# Altium PCB Gimbal.PcbDoc (part 2 of 2)
Units mil, origin at the board's own origin, x right, y up, seen from the top; angles counter-clockwise.
Board outline 2000 x 2000 mil, 4 copper layers (Top Layer, Ground, Power, Bottom Layer), stack 62 mil thick; 96 components, 55 nets, 309 pads, 198 vias.
Unrouted connection lines stored in the file: 26.
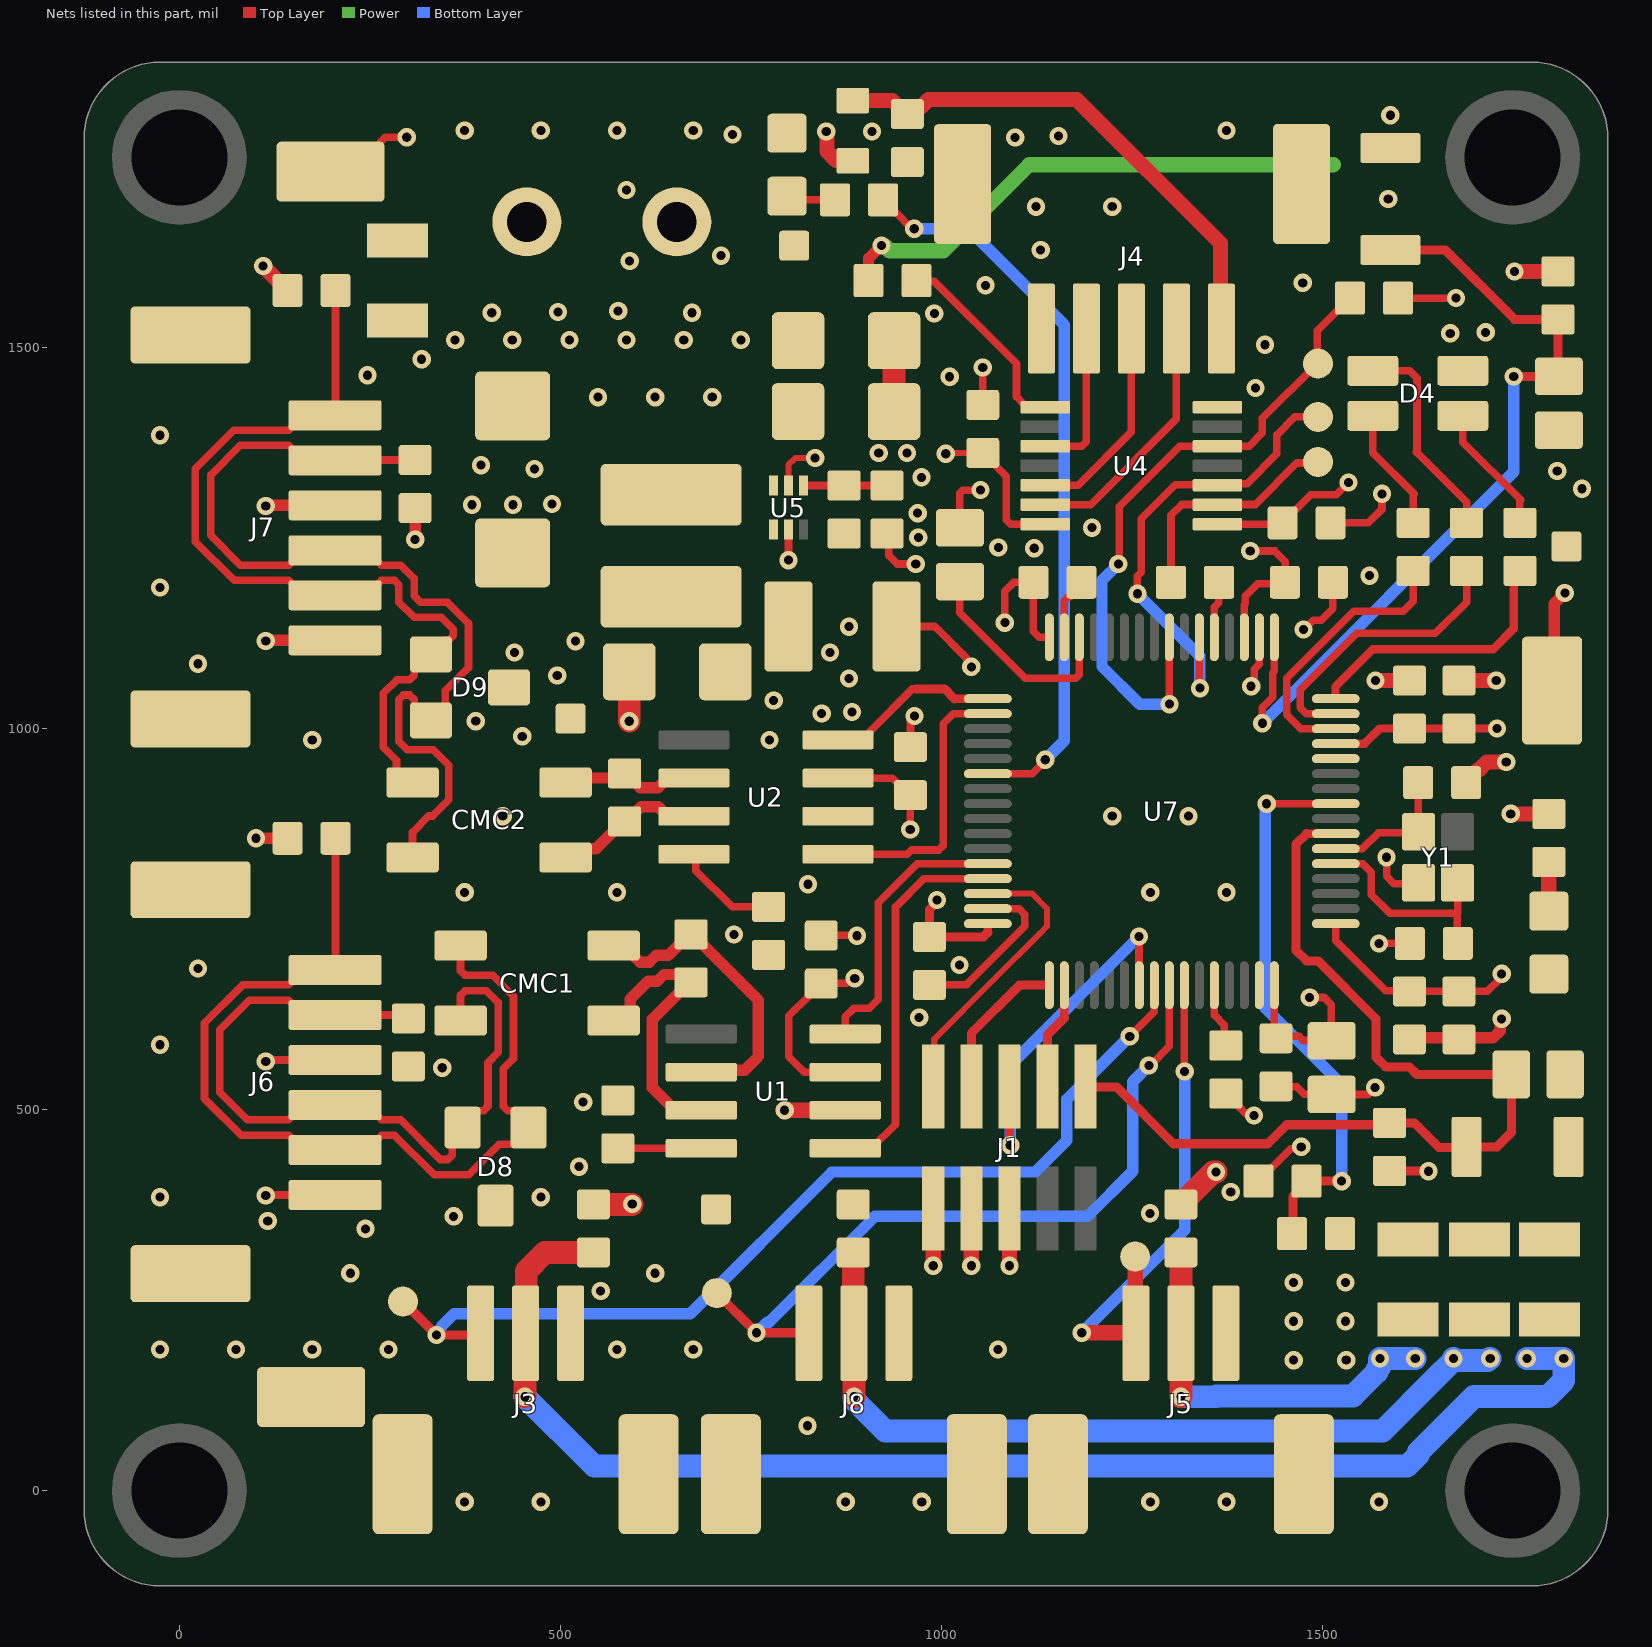
[diagram p4: the nets of this part, all layers, seen from the top]

## Via types
v1: diameter 24, hole 12, Top Layer to Bottom Layer, tented both sides, 198 vias

## Nets (pads, with @x,y where several pads share a name; then routed paths per layer and width w, separated by ;. In a path a pad name is that pad's centre, name@x,y a point inside that pad or via, vN(x,y) a via of type N, cw(c..) or ccw(c..) an arc to the next point about the centre after c; other vN are vias at no path point)
3V3: C7.2 C8.2 C9.2 C10.2 C11.2 C12.2 C13.2 C14.2 C15.2 C17.2 C18.2 C21.2 C24.1 C25.1 D4.4 J1.1 L1.2 R4.2 R5.2 R10.1 R12.2 R14.2 R15.2 TP6.1 U1.3 U2.3 U4.1 U7.1 U7.13 U7.19 U7.32 U7.48 U7.64 | length 2955.9
  Top Layer w10: U2.3@864.36,935.28 935.81,935.28 942.85,928.24 942.85,927.65 958.22,912.28 958.81,912.28 959.4,912.86 v1(959.4,867.86) ; U1.3@873.99,549.28 820,549.28 800,569.28 800,623.28 825.85,649.13 825.85,651.1 840.53,665.78 876.03,665.78 882.62,672.37 v1(886.41,672.37) ; v1(1083.5,1139.28) 1083.5,1180.28 1095.5,1192.28 C11.2@1121,1192.28 1121,1127.77 1128.5,1120.28 1140.52,1120.28 U7.32@1140.64,1120.16 ; U4.1@1360.5,1268.5 1444.26,1268.5 1462.69,1286.93 1464.66,1286.93 1485,1307.28 1518.5,1307.28 v1(1534.5,1323.28) ; U7.19@1397.77,1120.16 1397.77,1162.72 1399.19,1164.14 1399.19,1173.96 1415.5,1190.28 1449,1190.28 C9.2@1448.5,1190.78 ; v1(1405.5,1233.28) 1437.5,1233.28 1451.5,1219.28 1451.5,1192.77 C9.2@1451,1192.28 ; U7.64@1437.14,663.47 1437.14,599.13 1440,596.28 1469.5,596.28 1474.86,590.91 1512.1,590.91 1512.1,637.68 1502.5,647.28 v1(1483.5,647.28) ; U7.1@1517.85,742.95 1517.85,721.93 1583.7,656.07 1613.74,656.07 C13.2@1614.5,655.31 1716.78,655.31 1732.82,671.35 1732.82,675.6 v1(1735.5,678.28) ; R14.2@1599.5,1565.28 v1(1675.5,1565.28) ; v1@1634,419.78 v1@1634.5,419.28
  Top Layer w11: 1061.15,732.63 U7.48@1061.15,744.17 ; U7.13@1517.85,980.39 1555.62,980.39 1575.54,1000.32 C14.2@1614.5,1000.32 C7.2@1679.5,1000.32 v1(1729.5,1000.28) v1(1729.5,1000.28)
  Top Layer w12: v1(994.5,775.28) 994.5,772.42 984.5,762.42 C10.2@984.5,726.77 1055.3,726.77 1061.15,732.63 ; R12.2@1588.5,419.78 v1@1639,419.78
  Top Layer w15: R15.2@904.5,1588.28 904.51,1613.28 904.5,1617.28 v1(921.5,1634.28) ; TP6.1@1801.78,1050.28 1804.5,1052.99 1804.5,1164.28 v1(1818.5,1178.28)
  Top Layer w20: v1(989.5,295.28) J1.1@989.5,370.28 ; v1(1747.5,888.28) R4.2@1797.5,888.27 ; v1(1752.5,1600.28) R10.1@1809.5,1600.28
  Power w20: v1(921.5,1634.28) 925.29,1634.28 932.29,1627.28 1002.5,1627.28 1115.5,1740.28 1514.5,1740.28
  other v1: 1639.5,419.28 780,1037 879,1066 496,1070 854,1100 520,1115 879,1134 1668,1519 1714.5,1520.28
5V: C16.2 C19.2 C26.2 D3.1 F1.2 F2.2 F3.2 F4.2 F7.2 R18.2 TP5.1 U4.14 U5.3 U5.5 | length 432.9
  Top Layer w8: v1(1006,1361) 1007.1,1362.1 C19.2@1054.5,1362.1
  Top Layer w10: TP5.1@198.5,1731.28 229.51,1731.28 263.81,1765.58 263.81,1769.86 270.22,1776.28 v1(298.5,1776.28) ; v1(799.5,1221.28) U5.5@799.5,1261.34 ; C19.2@1054.5,1362.1 1056.47,1362.1 1071.15,1347.41 1071.15,1345.62 1085.5,1331.28 1085.5,1274.36 1091.36,1268.5 U4.14@1138.5,1268.5
  Top Layer w20: v1(849,1784) 850,1783 850,1758 862,1746 883.43,1746 F4.2@884,1745.43
  other v1: 1462.5,171.28 1531.5,171.28 1462.5,222.28 1530.5,222.28 1462.5,273.28 1530.5,273.28 466.21,1340.91 396,1346 549.5,1435.28 624.5,1435.28 699.5,1435.28 247,1464 318,1485 362,1510.28 437,1510.28 512,1510.28 587,1510.28 662,1510.28 737,1510.28 410,1546 672.97,1545.94 497,1547 575.97,1548.36
5V_ADC_INPUT: R18.1 R19.2 U7.9 | length 751.1
  Top Layer w10: v1(1427.12,901.65) U7.9@1517.85,901.65
  Top Layer w12: R18.1@1460.51,337.28 1461.51,338.28 1461.51,386.32 1479.5,404.31 R19.2@1479.5,406.28 v1(1525.5,406.28)
  Bottom Layer w15: v1(1427.12,901.65) 1425.5,900.03 1425.5,633.28 1525.5,533.28 v1(1525.5,406.28)
BUTTON_1: C20.2 R10.2 S2.2 U7.17 | length 1101.6
  Top Layer w10: v1(1421.5,1007.28) 1421.5,1027.28 1435.35,1041.13 1435.35,1073.58 1437.14,1075.37 U7.17@1437.14,1120.16
  Top Layer w12: S2.2@1589.5,1628.35 1661.43,1628.35 1752.49,1537.28 R10.2@1809.5,1537.28 1809.5,1462.51 1809.26,1462.28 v1(1751.5,1462.28)
  Bottom Layer w15: v1(1421.5,1007.28) 1751.5,1337.28 v1(1751.5,1462.28)
CAN1_N: CMC1.1 R1.1 U1.6 | length 408.4
  Top Layer w15: CMC1.1@569.89,715.49 584.66,715.49 595.86,704.29 595.86,702.57 604.65,693.79 617.07,693.79 625.78,702.49 641.75,702.49 669.53,730.28 R1.1@671.5,730.28 673.47,730.28 760,643.74 760,570 741.86,551.86 687.6,551.86 U1.6@685.01,549.28
CAN1_P: CMC1.3 R1.2 U1.7 | length 377.6
  Top Layer w15: CMC1.3@569.89,617.06 580.36,617.06 591.56,628.26 591.56,644.99 615.36,668.79 627.43,668.79 636.13,677.49 661.29,677.49 R1.2@671.5,667.28 669.53,667.28 620.76,618.51 620.76,529.08 650.56,499.28 U1.7@685.01,499.28
CAN2_N: CMC2.1 R2.1 U2.6 | length 181.5
  Top Layer w15: CMC2.1@506.89,929.49 512.79,935.38 592.36,935.38 604.97,922.78 628.65,922.78 628.65,922.99 640.94,935.28 U2.6@675.38,935.28
CAN2_P: CMC2.3 R2.2 U2.7 | length 201.4
  Top Layer w15: CMC2.3@506.89,831.06 518.09,842.26 546.51,842.26 582.53,878.28 R2.2@584.5,878.28 586.47,878.28 605.96,897.78 628.65,897.78 628.65,897.56 640.94,885.28 U2.7@675.38,885.28
CANA_N: C1.2 CMC1.5 D8.1 J6.1 J6.5 | length 1296.4
  Top Layer w10: C1.2@205,856.28 205,683.88 J6.1@204.5,683.39 163.16,683.39 143.63,663.86 83.57,663.86 33,613.28 33,514.72 81.02,466.69 143.63,466.69 163.16,447.17 J6.5@204.5,447.17 245.84,447.17 265.37,466.69 282.34,466.69 334.38,414.65 380,414.65 419.79,454.44 439.79,454.44 458.41,473.06 D8.1@458.41,476.46 458.41,479.85 439.79,498.47 430.96,498.47 425.11,504.33 425.11,553.55 438.56,567 438.56,648.94 411.22,676.28 374.96,676.28 369.11,682.13 CMC1.5@369.11,715.49
CANA_P: C2.2 CMC1.4 D8.2 J6.2 J6.4 | length 1038
  Top Layer w10: C2.2@300.5,619.77 295.94,624.33 J6.2@204.5,624.33 163.16,624.33 143.63,643.86 91.86,643.86 53,605 53,523 89.31,486.69 143.63,486.69 163.16,506.22 J6.4@204.5,506.22 245.84,506.22 265.37,486.69 290.62,486.69 342.66,434.65 352.42,434.65 358.28,440.51 358.28,462.94 D8.2@371.8,476.46 371.8,479.85 390.42,498.47 399.25,498.47 405.11,504.33 405.11,561.83 418.56,575.28 418.56,640.66 402.93,656.28 374.96,656.28 369.11,650.42 CMC1.4@369.11,617.06
CANA_UART.CAN_RX_A: U1.4 U7.44 | length 367.1
  Top Layer w10: U1.4@873.99,599.28 873.99,621.76 885.5,633.28 905.5,633.28 917.5,645.28 917.5,771.82 968.59,822.91 U7.44@1061.15,822.91
CANA_UART.CAN_TX_A: U1.1 U7.45 | length 500.9
  Top Layer w10: U1.1@873.99,449.28 908.44,449.28 940,480.84 940,766.08 977.15,803.23 U7.45@1061.15,803.23
CANB_N: C22.2 CMC2.5 D9.1 J7.1 J7.5 | length 1161
  Top Layer w10: C22.2@205,1575.28 205,1411.94 J7.1@204.5,1411.44 163.16,1411.44 143.63,1391.91 71.63,1391.91 21,1341.28 21,1245.72 71.97,1194.75 143.63,1194.75 163.16,1175.22 J7.5@204.5,1175.22 245.84,1175.22 265.37,1194.75 282.34,1194.75 288.19,1188.89 288.19,1166.11 308.1,1146.21 343.65,1146.21 359.5,1130.35 359.5,1122.06 353.65,1116.21 345.55,1116.21 308.3,1078.96 308.3,1070.13 302.44,1064.28 285.71,1064.28 267.76,1046.32 267.76,975.62 285.06,958.32 285.06,944.17 299.75,929.49 CMC2.5@306.11,929.49
CANB_P: C23.2 CMC2.4 D9.2 J7.2 J7.4 | length 1276.8
  Top Layer w10: CMC2.4@306.11,831.06 306.11,864.42 327.26,885.57 332.4,885.57 353.56,906.73 353.56,952.25 333.46,972.35 299.31,972.35 287.76,983.9 287.76,1038.04 294,1044.28 302.44,1044.28 308.3,1038.42 308.3,1029.59 326.92,1010.97 D9.2@330.32,1010.97 330.5,1010.97 349.13,1029.59 349.13,1049.59 379.5,1079.97 379.5,1138.63 351.93,1166.21 316.38,1166.21 308.19,1174.39 308.19,1197.18 290.62,1214.75 265.37,1214.75 245.84,1234.28 J7.4@204.5,1234.28 163.16,1234.28 143.63,1214.75 80.25,1214.75 41,1254 41,1333 79.91,1371.91 143.63,1371.91 163.16,1352.39 J7.2@204.5,1352.39 204.89,1352.77 C23.2@309.5,1352.77
CANB_UART.CAN_RX_B: U2.4 U7.33 | length 231.9
  Top Layer w10: U2.4@864.36,985.28 898.81,985.28 906.11,992.58 906.11,996.11 962.28,1052.28 967.25,1052.28
  Top Layer w11: 1017.33,1039.45 U7.33@1061.15,1039.45
  Top Layer w12: 967.25,1052.28 1004.5,1052.28 1017.33,1039.45
CANB_UART.CAN_TX_B: U2.1 U7.34 | length 366.6
  Top Layer w10: U2.1@864.36,835.28 955.5,835.28 961.14,840.91 996.64,840.91 1002.5,846.77 1002.5,1006.28 1015.99,1019.76 U7.34@1061.15,1019.76
ENC_CS_3V3: R14.1 TP15.1 U4.5 U7.24 | length 870.9
  Top Layer w10: v1(1232.5,1216.28) 1233.5,1217.28 1233.5,1291.5 1312.87,1370.87 U4.5@1362.49,1370.87 1404.09,1370.87 1421.5,1388.28 1421.5,1407.28 TP15.1@1493.5,1479.28 ; U7.24@1299.34,1120.16 1299.34,1032.43 v1(1299.5,1032.28) ; TP15.1@1494.5,1479.28 TP15.1@1493.5,1479.28 ; R14.1@1536.51,1565.28 1536.51,1563.31 1523.79,1550.59 1521.82,1550.59 1493.5,1522.27 TP15.1@1493.5,1479.28
  Bottom Layer w15: v1(1232.5,1216.28) 1211,1194.78 1211,1081.78 1260.5,1032.28 v1(1299.5,1032.28)
ENC_SPI_5V.ENC_CS_5V: J4.4 U4.10 | length 223
  Top Layer w10: U4.10@1138.5,1370.87 1184.64,1370.87 1190.5,1376.72 1190.5,1545.22 J4.4@1190.44,1545.28
ENC_SPI_5V.ENC_MISO_5V: J4.3 U4.12 | length 295.7
  Top Layer w10: U4.12@1138.5,1319.69 1179.69,1319.69 1249.5,1389.5 J4.3@1249.5,1545.28
ENC_SPI_5V.ENC_SCK_5V: J4.2 U4.13 | length 355.4
  Top Layer w10: U4.13@1138.5,1294.1 1196.1,1294.1 1308.56,1406.56 J4.2@1308.56,1545.28
GND: C1.1 C2.1 C3.1 C4.1 C5.1 C6.1 C7.1 C8.1 C9.1 C10.1 C11.1 C12.1 C13.1 C14.1 C15.1 C16.1 C17.1 C18.1 C19.1 C20.1 C21.1 C22.1 C23.1 C24.2 C25.2 C26.1 C27.1 C28.1 C29.1 C30.1 D1.2 D2.2 D3.2 D8.3 D9.3 J1.3 J1.5 J2.1 J3.0 J3.3 J4.0 J4.5 J5.0 J5.3 J6.0 J6.3 J6.6 J7.0 J7.3 J7.6 J8.0 J8.3 R3.2 R7.1 R16.1 R17.1 R19.1 S1.1 S2.1 TP4.1 TP7.1 TP11.1 TP12.1 TP13.1 U1.2 U2.2 U4.7 U5.2 U7.12 U7.18 U7.31 U7.47 U7.63 Y1.2 | length 2706.2
  Top Layer w8: U5.2@799.5,1319.21 799.5,1346.28 808.5,1355.28 v1(834.5,1355.28)
  Top Layer w10: v1(113.5,387.28) 114.33,388.11 J6.6@204.5,388.11 ; v1(113.5,563.28) 115.5,565.28 J6.3@204.5,565.28 ; v1(113.5,1115.28) v1@114.39,1116.17 ; v1(113.5,1292.28) v1@114.56,1293.33 ; v1@594,375.77 v1(594.5,376.28) ; C21.1@595.5,1073.27 C21.1@596.51,1074.28 ; R17.1@773.5,703.28 R17.1@774.51,702.28 ; C25.2@842.5,728.77 889,728.77 v1(889.5,728.28) ; R7.1@928.76,1256.28 931.32,1253.72 931.32,1227.46 942.5,1216.28 v1(966.5,1216.28) ; C15.1@941.37,1134.28 991.5,1134.28 1032.91,1092.87 1032.91,1091.66 1039.5,1085.06 v1(1039.5,1081.28) ; C24.2@959.5,975.95 959.63,976.08 959.63,1013 963.42,1016.8 v1(964.98,1016.8) ; C10.1@984.5,663.78 1033.09,663.78 1109.86,740.55 1109.86,756.14 1102.14,763.86 U7.47@1061.15,763.86 ; C6.1@1024.5,1263.7 1024.5,1309.28 1028.5,1313.28 v1(1051.5,1313.28) ; C19.1@1054.5,1425.09 v1(1054.5,1474.28) ; J4.5@1130.5,1526.22 J4.5@1131.44,1525.28 ; U7.31@1161.55,1120.16 1161.55,1167.76 1167.41,1173.62 1169.31,1173.62 1184,1188.31 C11.1@1184,1190.28 ; R3.2@1373.5,521.28 1375.47,521.28 1390.15,506.6 1390.15,504.63 1399.83,494.96 1407.82,494.96 v1(1410.5,492.28) ; v1(1406.74,1055.7) 1411.03,1059.99 1411.03,1078.26 1417.45,1084.69 U7.18@1417.45,1120.16 ; R19.1@1416.51,406.28 1416.51,408.24 1431.19,422.93 1433.16,422.93 1458.83,448.6 1469.82,448.6 v1(1472.5,451.28) ; C17.1@1439.5,530.78 1440,530.28 1466.5,530.28 1476.5,520.28 1512.26,520.28 C12.1@1512.5,520.04 1560.26,520.04 v1(1569.5,529.28) ; v1(1475.5,1130.28) 1476.36,1130.28 1488.36,1142.28 1498.5,1142.28 1514,1157.77 C9.1@1514,1192.28 ; C18.1@1511,1270.28 1560.5,1270.28 1578.5,1288.28 v1(1578.5,1308.28) ; v1(1574.5,718.28) C4.1@1615,718.28 ; v1(1584.5,831.28) 1584.5,806.28 1593.96,796.81 1625.56,796.81 Y1.2@1626.56,797.81 ; C20.1@1808.5,1391.04 C20.1@1809.5,1392.04
  Top Layer w15: v1(100.5,856.28) C1.1@142,856.28 ; v1@114.39,1116.17 J7.6@204.5,1116.17 ; v1@114.56,1293.33 J7.3@204.5,1293.33 ; v1(309.5,1248.28) C23.1@309.5,1289.78 ; C13.1@1614.5,592.32 1616.36,594.17 1677.64,594.17 C8.1@1679.5,592.32 1681.36,594.17 1724.17,594.17 1733.78,603.78 1733.78,617.55 v1(1735.5,619.28)
  Top Layer w20: v1(110,1607.28) C22.1@142,1575.28 ; J3.3@513.5,206.56 J3.3@513.56,206.61 ; v1(794.5,499.28) U1.2@873.99,499.28 ; v1(1039.5,295.28) J1.3@1039.5,370.28 ; v1(1089.5,295.28) J1.5@1089.5,370.28 ; v1(1570,1063.31) C14.1@1614.5,1063.31 ; C7.1@1679.5,1063.31 v1(1728.5,1063.28) ; C3.1@1689,929.28 1689,931.24 1703.68,945.93 1705.65,945.93 1716,956.28 v1(1741.5,956.28)
  Top Layer w30: C29.1@543.5,375.77 v1@594,375.77 ; v1(590.5,1009.78) C21.1@590.51,1074.78 ; C16.1@938.02,1416.28 C26.1@938.02,1509.28 ; C27.1@1314.5,375.77 1316.47,375.77 1321.15,380.46 1321.15,382.43 1357,418.28 v1(1360.5,418.28)
  other v1: 374.5,-14.72 474.5,-14.72 874.5,-14.72 974.5,-14.72 1274.5,-14.72 1374.5,-14.72 1574.5,-14.72 824.5,85.28 -25.5,185.28 74.5,185.28 174.5,185.28 274.5,185.28 574.5,185.28 674.5,185.28 1074.5,185.28 553,262 224.5,285.28 624.5,285.28 244.41,343.58 116,354 360,360 1274,364 -25.5,385.28 474.5,385.28 1380,392 524.5,425.28 530,510 345,555 -25.5,585.28 971,621 24.5,685.28 1024,690 728,730 374.5,785.28 574.5,785.28 1274.5,785.28 1374.5,785.28 825,796 424.5,885.28 1224.5,885.28 1324.5,885.28 174.5,985.28 774.5,985.28 450,990 389,1010 843,1020 883,1022 24.5,1085.28 440,1100 -25.5,1185.28 1562,1201 1122,1237 1075,1238 970,1251 1198,1264 969,1283 384,1294 438,1294 489,1295 1841,1315 974,1330 1808.5,1338.28 918,1362 955,1362 -25.5,1385.28 1412.5,1447.28 1011,1462 1425,1504 991,1545 1058,1582 1474.5,1585.28 591,1614 711,1621 1130.5,1628.28 1124.5,1685.28 1224.5,1685.28 1586.74,1695.24 587,1707 1097,1776 1154,1778 726,1780 909,1784 374.5,1785.28 474.5,1785.28 574.5,1785.28 674.5,1785.28 1374.5,1785.28 1589.5,1805.28
JTDI: J1.8 U7.50 | length 142.3
  Top Layer w11: 1161.55,620.32 U7.50@1161.55,663.47
  Top Layer w12: J1.8@1139.5,530.28 1139.5,598.28 1161.55,620.32
JTDO/TRACESWO: J1.6 U7.55 | length 485.4
  Top Layer w10: v1@1089.5,454.28 v1(1090.5,453.28) ; v1(1259.5,727.28) 1259.5,690.81 1259.63,690.68 1259.63,663.81 U7.55@1259.97,663.47
  Top Layer w12: v1@1089.5,454.28 J1.6@1089.5,530.28
  Bottom Layer w15: v1(1090.5,453.28) 1090.5,558.28 v1(1259.5,727.28)
LED_1: R6.1 U7.38 | length 972.1
  Top Layer w10: R6.1@923.5,1694.28 923.5,1692.31 938.19,1677.62 940.15,1677.62 961.5,1656.28 v1(964.5,1656.28) ; U7.38@1061.15,941.02 1119.5,941.02 1136.5,958.02 v1(1136.5,959.28)
  Bottom Layer w15: v1(964.5,1656.28) 1035.5,1656.28 1161.5,1530.28 1161.5,984.28 v1(1136.5,959.28)
LED_B_n: R8.2 U7.15 | length 380
  Top Layer w10: U7.15@1517.85,1019.76 1479.36,1019.76 1471.35,1027.77 1471.35,1051.13 1545.5,1125.28 1648.5,1125.28 1689.5,1166.28 R8.2@1689.5,1207.28
LED_G_n: R11.2 U7.14 | length 367.9
  Top Layer w10: U7.14@1517.85,1000.08 1471.7,1000.08 1453.35,1018.43 1453.35,1066.13 1541.5,1154.28 1606.5,1154.28 1619.5,1167.28 R11.2@1619.5,1207.28
LED_R_n: R9.1 U7.16 | length 360.9
  Top Layer w11: U7.16@1517.85,1039.45 1517.43,1039.82 1517.43,1055.41 1566.31,1104.29 1724.29,1104.29 1751.31,1131.31 1751.31,1199.09 R9.1@1759.5,1207.28
NetC3_2: C3.2 U7.6 Y1.1 | length 181.7
  Top Layer w10: U7.6@1517.85,842.6 1552.82,842.6 1573.96,863.74 1624.69,863.74 1626,865.06 C3.2@1626,929.28
NetC4_2: C4.2 U7.5 Y1.3 | length 283.7
  Top Layer w10: U7.5@1517.85,822.91 1553.32,822.91 1564.34,811.89 1564.34,782.43 1588.98,757.79 1677.5,757.79 ; Y1.3@1677.74,797.81 1677.74,758.03 1677.5,757.79 ; C4.2@1678,718.28 1677.5,718.77 1677.5,757.79
NetC6_2: C6.2 U7.30 | length 284.4
  Top Layer w10: C6.2@1024.5,1193.23 1024.5,1152.28 1110.5,1066.28 1176.5,1066.28 1181.23,1071.01 U7.30@1181.23,1120.16
NetC27_2: C27.2 F3.1 J5.2 | length 523.8
  Top Layer w30: v1(1314.5,123.28) J5.2@1314.5,206.61 C27.2@1314.5,312.78
  Bottom Layer w30: v1(1314.5,123.28) 1360.5,123.28 1361.5,124.28 1540.28,124.28 1571.91,155.91 1571.91,158.68 1575.19,161.96 1575.19,172.57 v1(1575.95,173.33) ; v1@1577.8,173.33 v1(1622.1,173.33)
NetC28_2: C28.2 F7.1 J8.2 | length 1089.5
  Top Layer w30: C28.2@884.5,312.78 884.5,207.32 J8.2@885.21,206.61 885.5,206.32 v1(885.5,123.28)
  Bottom Layer w30: v1(885.5,123.28) 885.5,119.28 926.5,78.28 1579.37,78.28 1649.12,148.03 1670.37,169.28 1670.37,170.25 1672.37,172.25 v1(1672.37,173.33) ; v1@1671.61,171.49 1672.69,172.57 1674.22,172.57 1675.86,170.92 1717.09,170.92 1719.5,173.33 v1(1720.58,173.33)
NetC29_2: C29.2 F2.1 J3.2 | length 1792
  Top Layer w30: v1(453.5,123.28) 453.5,205.61 J3.2@454.5,206.61 455.31,207.42 455.31,288.08 480,312.78 C29.2@543.5,312.78
  Bottom Layer w20: v1(1768.79,173.33) v1@1769.56,172.57
  Bottom Layer w30: v1(453.5,123.28) 544.5,32.28 1611.5,32.28 1626.57,47.35 1626.57,51.12 1698.88,123.43 1796,123.43 1817,144.43 v1(1817,173.33) v1(1768.79,173.33)
NetC30_2: C30.2 F4.1 J4.1 | length 668.5
  Top Layer w20: F4.1@884,1824.57 935.74,1824.57 953.53,1806.77 C30.2@955.5,1806.77 965.19,1816.46 973.82,1816.46 983.36,1826 1177.78,1826 1366.5,1637.28 1366.5,1546.39 J4.1@1367.61,1545.28
NetD1_1: D1.1 R4.1 | length 64.7
  Top Layer w20: D1.1@1797.5,760.61 R4.1@1797.5,825.28
NetD2_1: D2.1 R6.2 | length 65.8
  Top Layer w10: D2.1@797.5,1698.94 802.16,1694.28 R6.2@860.51,1694.28 860.01,1693.78 R6.2@860.16,1693.63
NetD4_1: D4.1 R9.2 | length 171.9
  Top Layer w10: D4.1@1684.56,1410.75 1684.56,1376.22 1760.5,1300.28 ; R9.2@1759.5,1270.28 1759.5,1300.28
NetD4_2: D4.2 R11.1 | length 162.9
  Top Layer w10: D4.2@1566.44,1410.75 1566.44,1362.33 1620.5,1308.28 ; R11.1@1619.5,1270.28 1619.5,1308.28
NetD4_3: D4.3 R8.1 | length 279.3
  Top Layer w10: D4.3@1566.44,1469.8 1614.97,1469.8 1624.5,1460.28 1624.5,1363.28 ; 1623.5,1363.28 1689.5,1297.28 R8.1@1689.5,1270.28
NetF1_1: F1.1 J2.2
NetL1_1: L1.1 U5.4
NetR3_1: R3.1 U7.60 | length 85.4
  Top Layer w10: U7.60@1358.4,663.47 1358.4,624.38 1371.64,611.13 1371.64,586.13 R3.1@1373.5,584.28
NetR5_1: R5.1 R7.2 U5.1 | length 109.6
  Top Layer w10: U5.1@819.18,1319.21 872.44,1319.21 R5.1@872.5,1319.28 R7.2@928.76,1319.28
NetR13_2: R13.2 U7.21 | length 74.6
  Top Layer w10: U7.21@1358.4,1120.16 1358.4,1159.42 1364.26,1165.28 1364.26,1192.03 R13.2@1364.5,1192.28
NetR15_1: R15.1 U4.8 | length 263.3
  Top Layer w10: R15.1@967.49,1588.28 968.49,1587.28 990.5,1587.28 1098.84,1478.93 1098.84,1435.6 1109.03,1425.41 1133.14,1425.41 U4.8@1136.51,1422.05
NetR16_2: R16.2 U1.8 | length 109.5
  Top Layer w10: R16.2@575.5,449.28 U1.8@685.01,449.28
NetR17_2: R17.2 U2.8 | length 137.8
  Top Layer w10: U2.8@675.38,835.28 677.95,832.72 677.95,813.83 725.5,766.28 R17.2@773.5,766.28
NRST: C5.2 J1.10 R12.1 S1.2 U7.7 | length 1275.9
  Top Layer w11: 1479.51,862.28 U7.7@1517.85,862.28
  Top Layer w12: J1.10@1189.5,530.28 1189.78,530 1230,530 1304.72,455.28 1428.5,455.28 1453.5,480.28 1581.01,480.28 1583.5,482.77 1621.01,482.77 1653.5,450.28 1688.57,450.28 S1.2@1689.57,451.28 1729.5,451.28 1748.26,470.04 C5.2@1748.26,546.28 1624.5,546.28 1614.5,556.28 1583.36,556.28 1570.5,569.13 1570.5,619.28 1494.5,695.28 1479.5,695.28 1465.5,709.28 1465.5,848.28 1479.51,862.28
PITCH_SERVO_PWM: J3.1 TP8.1 U7.56 | length 1308.5
  Top Layer w10: v1(1247.5,596.28) 1279.66,628.43 U7.56@1279.66,663.47
  Top Layer w12: TP8.1@293.5,248.28 v1(337.5,204.28) 393.11,204.28 J3.1@395.44,206.61
  Bottom Layer w15: v1(337.5,204.28) 337.5,208.06 344.09,214.66 344.09,215.87 360.5,232.28 670.5,232.28 856.5,418.28 1123.28,418.28 1165,460 1165,513.78 v1(1247.5,596.28)
ROLL_SERVO_PWM: J8.1 TP10.1 U7.57 | length 989.2
  Top Layer w10: v1(1272.5,558) 1274.22,558 1299.34,583.12 U7.57@1299.34,663.47
  Top Layer w12: TP10.1@705.5,259.28 v1(757.5,207.28) 825.49,207.28 J8.1@826.15,206.61
  Bottom Layer w15: v1(757.5,207.28) 771.49,221.27 774.27,221.27 912.99,359.99 1191.99,359.99 1251.27,419.27 1251.27,536.77 v1(1272.5,558)
SPI_3V3.MISO_3V3: TP2.1 U4.3 U7.22 | length 627.9
  Top Layer w10: v1(1257.5,1177.28) 1257.5,1200.28 1262.5,1205.28 1262.5,1275.5 1307.28,1320.28 1359.91,1320.28 1360.5,1319.69 1362.5,1321.69 1401.45,1321.69 1440.5,1360.73 1440.5,1385.5 1464.28,1409.28 TP2.1@1494.5,1409.28 ; U7.22@1338.71,1120.16 1338.71,1054.06 v1(1339.5,1053.28)
  Bottom Layer w15: v1(1257.5,1177.28) 1339.5,1095.28 v1(1339.5,1053.28)
SPI_3V3.SCK_3V3: R13.1 TP1.1 U4.2 | length 312.1
  Top Layer w10: R13.1@1301.51,1190.28 1301.51,1280.28 1315.5,1294.28 1360.32,1294.28 1360.5,1294.1 1360.68,1294.28 1412.28,1294.28 1466.86,1348.86 1493.09,1348.86 TP1.1@1494.5,1350.28
SWD_CLK: J1.4 U7.49 | length 197.3
  Top Layer w12: J1.4@1039.5,530.28 1039.5,600.28 1102.69,663.47 U7.49@1140.64,663.47
SWD_IO: J1.2 U7.46 | length 381.3
  Top Layer w8: J1.2@989.5,530.28 990.81,531.59 990.81,592.59 1068.5,670.28 ; U7.46@1061.15,783.54 1119.23,783.54 1138.81,763.96 1138.81,740.59 1129.27,731.05 1068.54,670.28
YAW_SERVO_PWM: J5.1 TP9.1 U7.58 | length 682.7
  Top Layer w10: U7.58@1319.03,663.47 1319.03,550.75 v1(1319.5,550.28)
  Top Layer w12: J5.1@1254.5,207.56 J5.1@1254.78,207.28
  Top Layer w20: v1(1184.5,207.28) J5.1@1254.78,207.28 ; J5.1@1254.5,207.56 TP9.1@1254.5,307.28
  Bottom Layer w15: v1(1184.5,207.28) 1319.5,342.28 v1(1319.5,550.28)
pads on no net: J1.7 J1.9 MH1.0 MH2.0 MH3.0 MH4.0 U1.5 U2.5 U4.4 U4.6 U4.9 U4.11 U5.6 U7.2 U7.3 U7.4 U7.8 U7.10 U7.11 U7.20 U7.23 U7.25 U7.26 U7.27 U7.28 U7.29 U7.35 U7.36 U7.37 U7.39 U7.40 U7.41 U7.42 U7.43 U7.51 U7.52 U7.53 U7.54 U7.59 U7.61 U7.62 Y1.4

## Polygon pours and split planes (outlines as drawn)
GND on Top Layer "Top GND" (solid, remove dead copper, pour order 154): -25,-125 cw(c-25,-25) -125,-25 -125,1775 cw(c-25,1775) -25,1875 1775,1875 cw(c1775,1775) 1875,1775 1875,-25 cw(c1775,-25) 1775,-125
5V on Top Layer "Buck 5V" (solid, remove dead copper, pour order 153): 350.5,1322.28 529.5,1322.28 529.5,1392.28 748.5,1392.28 748.5,1291.28 810.5,1291.28 810.5,1343.28 842.5,1343.28 884.5,1385.28 884.5,1584.28 227.5,1584.28 227.5,1443.28 350.5,1443.28
5V on Top Layer "Servos" (solid, remove dead copper, pour order 152): 1432,149 1875.37,149 1875.61,373.28 1509.48,373.28 1432,373.28
3V3 on Top Layer "Buck 3V3" (solid, pour order 151): 659.5,1015.28 806.5,1015.28 806.5,1045.28 807.34,1044.44 900.74,1044.44 900.5,1218.28 900.5,1288.28 831.5,1288.28 831.5,1237.28 503.5,1237.28 503.5,1158.28 470.5,1158.28 470.5,1045.28 659.5,1045.28 659.5,1120.28
NetF1_1 on Top Layer "Power In" (solid, remove dead copper, pour order 150): 227.5,1745.28 227.5,1594.28 553.5,1594.28 553.5,1745.28
NetC29_2 on Top Layer "Pitch Power" (solid, remove dead copper, pour order 146): 1839,150 1825,136 1747,136 1747,186 1753,192 1753,248 1839,248
NetC28_2 on Top Layer "Roll Power" (solid, remove dead copper, pour order 147): 1653,135 1747,135 1747,247 1660,247 1660,193.67 1653,187.44
NetC27_2 on Top Layer "Yaw Power" (solid, remove dead copper, pour order 145): 1557.07,172.47 1556.96,135 1652,135 1652,247 1572,247 1572,203 1557,203 1556.62,202.62 1556.62,172.25
3V3 on Top Layer "LED Thermal" (solid, remove dead copper, pour order 148): 1632,1537 1632,1440 1755,1440 1755,1537
NetL1_1 on Top Layer "Inductor" (solid, remove dead copper, pour order 149): 789.5,1237.28 529.5,1237.28 529.5,1392.28 748.5,1392.28 748.5,1291.28 789.5,1291.28
5V on Power "5V Plane" (solid, remove dead copper, pour order 156): 1875.5,-125.72 1879.5,-121.72 1879.5,376 1311.5,376 1311.5,259 404.5,259 404.5,1291.28 404.5,1178 853.42,1178 853.42,1291.28 1147,1291.28 1147,1875.83 -125.5,1875.83 -125.5,-125.72
3V3 on Power "Power-3V3" (solid, remove dead copper, pour order 157): 1311.5,403.28 1879.5,403.28 1875.5,407.28 1875.5,1875.28 1450.06,1875.28 1147,2178.33 1147,1291.28 853.42,1291.28 853.42,1179 404.5,1179 404.5,276 1311.5,276
GND on Ground "GND Plane" (solid, remove dead copper, pour order 155): -25,-125 cw(c-25,-25) -125,-25 -125,1775 cw(c-25,1775) -25,1875 1775,1875 cw(c1775,1775) 1875,1775 1875,-25 cw(c1775,-25) 1775,-125
GND on Bottom Layer "Bottom GND" (solid, pour order 158): -25,-125 cw(c-25,-25) -125,-25 -125,1775 cw(c-25,1775) -25,1875 1775,1875 cw(c1775,1775) 1875,1775 1875,-25 cw(c1775,-25) 1775,-125

## Keep-outs
Keep-Out Layer:
  lines w10: -25.5,-125 1775,-125 ccw(c1775,-25) 1875,-25 1875,1775 ccw(c1775,1775) 1775,1875 -25,1875 ccw(c-25,1775) -125,1775 -125,1366 -125,-25 ccw(c-25,-25) -25,-125

## Silkscreen, mask and mechanical layers (free items; w line width, h text height)
Top Overlay:
  text "ENC" at 1500,1820.53 h50
  text "5V" at 300,1804.24 h50
  text "5V" at 172.28,1783.53 h50
  text "GND" at 773,1583.37 h35
  text "CAN B" at -100,1570.53 h50
  text "CS" at 1467.63,1460 h35 r90
  text "MISO" at 1467.63,1373 h35 r90
  text "SCK" at 1467.63,1301 h35 r90
  text "GND" at 1793,1265.32 h30
  text "3V3" at 1769,1129.52 h45
  text "GND" at 479,965.37 h35
  text "CAN A" at -100,840.53 h50
  text "GND" at 731,349.43 h40
  text "ROLL" at 681,300.43 h40
  text "PITCH" at 263,290.43 h40
  text "YAW" at 1150.02,270 h40
  text "GND" at 127,31.53 h50
Bottom Overlay:
  drawing of 23 lines, arcs and shapes, not listed
  text "GIMBAL - REV 2 / NOV 2020 / AIDAN GRATTON" at 1351.47,1082.28 h120
Mechanical 1:
  drawing of 4497 lines, arcs and shapes, not listed
Mechanical 3:
  circle w0.5: c0,0 r64.25
  circle w0.5: c0,1750 r64.25
  circle w0.5: c1750,1750 r64.25
  circle w0.5: c1750,0 r64.25
  lines w0.5: -125,-25 ccw(c-25,-25) -25,-125 1775,-125 ccw(c1775,-25) 1875,-25 1875,1775 ccw(c1775,1775) 1775,1875 -25,1875 ccw(c-25,1775) -125,1775 -125,-25

## Text inside footprints (layer, text, board x,y; h text height)
L1: Mechanical 13 "*" at 595.5,1327.28 h50 r270